# Altium PCB BalloonBoard.PcbDoc (part 2 of 3) (continued)
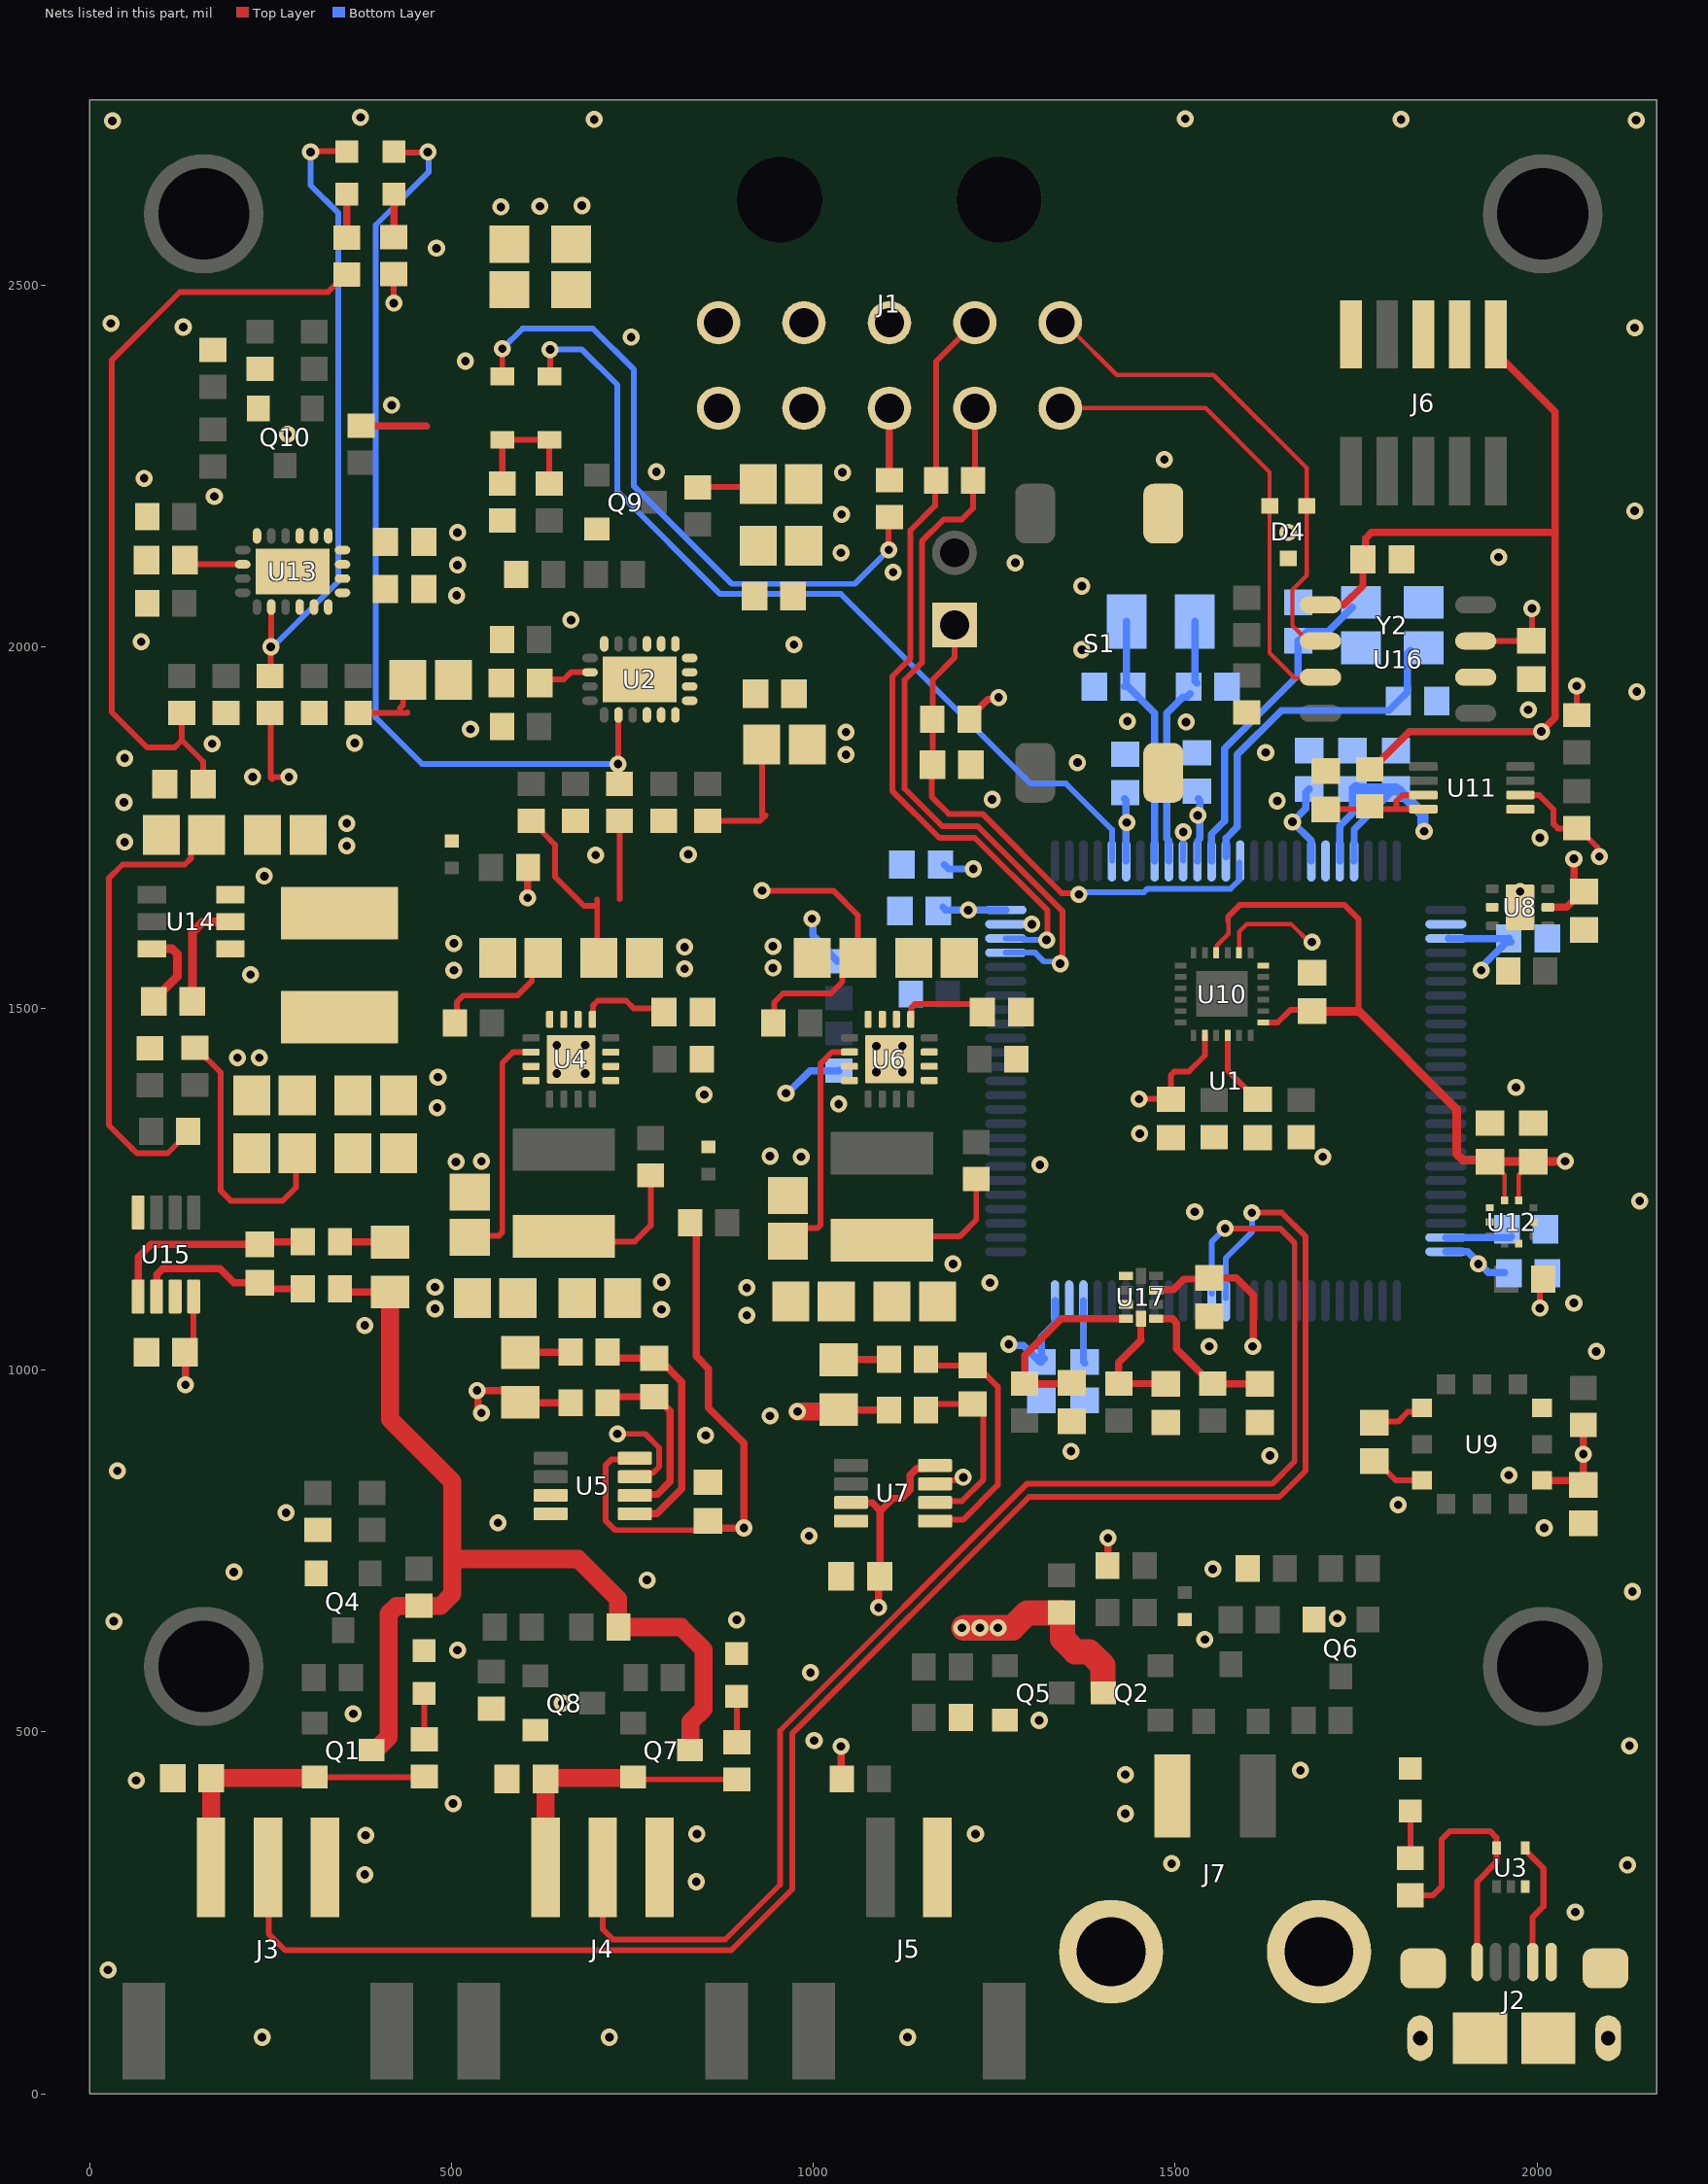
[diagram p4: the nets of this part, all layers, seen from the top]
## Part data (continued)
R75: library part RMCF0603FT69K8, "RES 69.8K OHM 1% 1/10W 0603", Device Package="0603 (1608 Metric)", Manufacturer="Stackpole Electronics Inc", Operating Temperature="-55°C ~ 155°C", Power (Watts)="0.1W, 1/10W", Ratings=AEC-Q200, Supplier Device Package=0603, Supplier Part Number 1=RMCF0603FT69K8CT-ND, Temperature Coefficient=±100ppm/°C, Tolerance=±1%, ComponentLink1Description=Datasheet, ComponentLink1URL=https://www.seielect.com/catalog/sei-rmcf_rmcp.pdf, ComponentLink2Description="DigiKey Link", ComponentLink2URL=http://digikey.com/product-detail/en/stackpole-electronics-inc/RMCF0603FT69K8/RMCF0603FT69K8CT-ND/2418123, Composition="Thick Film", Features="Automotive AEC-Q200", Height - Seated (Max)="0.022\" (0.55mm)", LastUpdated="9/2/2020 1:10:00 AM", Lifecycle Status=Active, Minimum Order=1, Number of Terminations=2, Package / Case="0603 (1608 Metric)", Packaging=CutTape, PartId=16385, Part Number=RMCF0603FT69K8, Part Status=Active, Price=0.10, Resistance="69.8 kOhms", Series=RMCF, Size / Dimension="0.061\" L x 0.031\" W (1.55mm x 0.80mm)", Supplier 1=DigiKey
R79: library part RMCF0603FG100R, "RES 100 OHM 1% 1/10W 0603", Device Package="0603 (1608 Metric)", Manufacturer="Stackpole Electronics Inc", Operating Temperature="-55°C ~ 155°C", Power (Watts)="0.1W, 1/10W", Ratings=AEC-Q200, Supplier Device Package=0603, Supplier Part Number 1=RMCF0603FG100RCT-ND, Temperature Coefficient=±100ppm/°C, Tolerance=±1%, ComponentLink1Description=Datasheet, ComponentLink1URL=https://www.seielect.com/catalog/sei-rmcf_rmcp.pdf, ComponentLink2Description="DigiKey Link", ComponentLink2URL=http://digikey.com/product-detail/en/stackpole-electronics-inc/RMCF0603FG100R/RMCF0603FG100RCT-ND/4425033, Composition="Thick Film", Features="Automotive AEC-Q200", Height - Seated (Max)="0.022\" (0.55mm)", LastUpdated="9/2/2020 1:09:39 AM", Lifecycle Status=Active, Minimum Order=1, Number of Terminations=2, Package / Case="0603 (1608 Metric)", Packaging=CutTape, PartId=24036, Part Number=RMCF0603FG100R, Part Status=Active, Price=0.10, Resistance="100 Ohms", Series=RMCF, Size / Dimension="0.061\" L x 0.031\" W (1.55mm x 0.80mm)", Supplier 1=DigiKey
R81 R82 R85: library part RNCP0603FTD1K00, "RES 1K OHM 1% 1/8W 0603", Device Package="0603 (1608 Metric)", Manufacturer="Stackpole Electronics Inc", Operating Temperature="-55°C ~ 155°C", Power (Watts)="0.125W, 1/8W", Supplier Device Package=0603, Supplier Part Number 1=RNCP0603FTD1K00CT-ND, Temperature Coefficient=±100ppm/°C, Tolerance=±1%, ComponentLink1Description=Datasheet, ComponentLink1URL=https://www.seielect.com/catalog/sei-rncp.pdf, ComponentLink2Description="DigiKey Link", ComponentLink2URL=http://digikey.com/product-detail/en/stackpole-electronics-inc/RNCP0603FTD1K00/RNCP0603FTD1K00CT-ND/2240445, Composition="Thin Film", Features="Anti-Sulfur, Moisture Resistant", Height - Seated (Max)="0.020\" (0.50mm)", LastUpdated="9/2/2020 1:10:23 AM", Lifecycle Status=Active, Minimum Order=1, Number of Terminations=2, Package / Case="0603 (1608 Metric)", Packaging=TapeAndReel, PartId=5694, Part Number=RNCP0603FTD1K00, Part Status=Active, Price=0.01, Resistance="1 kOhms", Series=RNCP, Size / Dimension="0.059\" L x 0.031\" W (1.50mm x 0.80mm)", Supplier 1=DigiKey
R83 R84: library part RMCF0603ZT0R00, "RES 0 OHM JUMPER 1/10W 0603", Device Package="0603 (1608 Metric)", Manufacturer="Stackpole Electronics Inc", Operating Temperature="-55°C ~ 155°C", Power (Watts)="0.1W, 1/10W", Ratings=AEC-Q200, Supplier Device Package=0603, Supplier Part Number 1=RMCF0603ZT0R00CT-ND, Tolerance=Jumper, ComponentLink1Description=Datasheet, ComponentLink1URL=https://www.seielect.com/catalog/sei-rmcf_rmcp.pdf, ComponentLink2Description="DigiKey Link", ComponentLink2URL=http://digikey.com/product-detail/en/stackpole-electronics-inc/RMCF0603ZT0R00/RMCF0603ZT0R00CT-ND/1943218, Composition="Thick Film", Features="Automotive AEC-Q200", Height - Seated (Max)="0.022\" (0.55mm)", LastUpdated="9/2/2020 1:09:45 AM", Lifecycle Status=Active, Minimum Order=1, Number of Terminations=2, Package / Case="0603 (1608 Metric)", Packaging=CutTape, PartId=22613, Part Number=RMCF0603ZT0R00, Part Status=Active, Price=0.10, Resistance="0 Ohms", Series=RMCF, Size / Dimension="0.061\" L x 0.031\" W (1.55mm x 0.80mm)", Supplier 1=DigiKey
R86 R87 R88: library part RMCF0603FT680R, "RES 680 OHM 1% 1/10W 0603", Device Package="0603 (1608 Metric)", Manufacturer="Stackpole Electronics Inc", Operating Temperature="-55°C ~ 155°C", Power (Watts)="0.1W, 1/10W", Ratings=AEC-Q200, Supplier Device Package=0603, Supplier Part Number 1=RMCF0603FT680RCT-ND, Temperature Coefficient=±100ppm/°C, Tolerance=±1%, ComponentLink1Description=Datasheet, ComponentLink1URL=https://www.seielect.com/catalog/sei-packaging.pdf, ComponentLink2Description="DigiKey Link", ComponentLink2URL=http://digikey.com/product-detail/en/stackpole-electronics-inc/RMCF0603FT680R/RMCF0603FT680RCT-ND/6053170, Composition="Thick Film", Features="Automotive AEC-Q200", Height - Seated (Max)="0.022\" (0.55mm)", LastUpdated="9/2/2020 1:10:13 AM", Lifecycle Status=Active, Minimum Order=1, Number of Terminations=2, Package / Case="0603 (1608 Metric)", Packaging=CutTape, PartId=10671, Part Number=RMCF0603FT680R, Part Status=Active, Price=0.10, Resistance="680 Ohms", Series=RMCF, Size / Dimension="0.061\" L x 0.031\" W (1.55mm x 0.80mm)", Supplier 1=DigiKey
S1: "SWITCH TACTILE SPST-NO 0.05A 24V", Contact Rating @ Voltage="0.05A @ 24VDC", Manufacturer="TE Connectivity ALCOSWITCH Switches", Operating Force=260gf, Operating Temperature="-40°C ~ 105°C", Supplier Part Number 1=450-2138-1-ND, Actuator Height off PCB, Vertical=7.00mm, Actuator Orientation="Top Actuated", Actuator Type=Standard, Circuit=SPST-NO, ComponentLink1Description=Datasheet, ComponentLink1URL=https://www.te.com/commerce/DocumentDelivery/DDEController?Action=srchrtrv&DocNm=1308111-1_SWITCHES_CORE_PROGRAM_CATALOG&DocType=CS&DocLang=English, ComponentLink2Description="DigiKey Link", ComponentLink2URL=http://digikey.com/product-detail/en/te-connectivity-alcoswitch-switches/FSM6JSMAASTR/450-2138-1-ND/5343818, Illumination=Non-Illuminated, LastUpdated="9/2/2020 1:27:08 AM", Lifecycle Status=Active, Minimum Order=1, Mounting Type="Surface Mount", Outline="6.00mm x 6.00mm", Packaging=TapeAndReel, Part Number=FSM6JSMAASTR, Part Status=Active, Price=0.37, Series=FSMJSMA, Supplier 1=DigiKey, Switch Function=Off-Mom, Termination Style="Gull Wing"
U1: Supplier Part Number 1=497-19657-1-ND, Supplier 1=Digi-Key
U2 U13: Supplier Part Number 1=296-40735-1-ND, Supplier 1=Digi-Key
U3: library part CMP-0326-00052-4, "TVS DIODE 5.5V SOT5", Breakdown Voltage=11V, Capacitance=1.5pF, Case/Package=SOT-553, Clamping Voltage=105.5V, Leakage Current=1nA, Max Operating Temperature=85°C, Max Supply Current=100nA, Max Supply Voltage=5.5V, Min Operating Temperature=-40°C, Min Supply Voltage=900mV, Package Quantity=1, Peak Pulse Power=90W, Power Line Protection=Yes, Depth=1.2mm, Direction=Unidirectional, Height=0.55mm, Interface=USB, Lead Free="Lead Free", Length=1.6mm, Max Supply Voltage (DC)=5.5V, Min Breakdown Voltage=11V, Min Supply Voltage (DC)=900mV, Nominal Supply Current=1nA, Number of Bidirectional Channels=3, Number of Channels=3, Number of Pins=5, Packaging="Tape and Reel", Radiation Hardening=No, REACH SVHC="No SVHC", Reverse Standoff Voltage=5.5V, RoHS Compliant=Yes, Termination=SMD/SMT, Weight=9.9E-05oz, Width=1.2mm
U4: library part CMP-0323-00129-3, "Buck Step Down Regulator with 3 to 17 V Input and 3.3 V Output, -40 to 85 degC, 16-Pin QFN (RGT), Green (RoHS & no Sb/Br)", Manufacturer="Texas Instruments", Rating=Catalog, Switch Current Limit(Typ)(A)=1.7, Code_JEDEC=MO-220, ComponentLink1Description=Datasheet, ComponentLink1URL=http://www.ti.com/general/docs/lit/getliterature.tsp?genericPartNumber=TPS62152&fileType=pdf, ComponentLink2Description="Package Specification", ComponentLink2URL=http://www.ti.com/litv/pdf/mpqf119g, ComponentLink3Description="URL Link1", ComponentLink3URL="Samples URL:http://www.ti.com/product/tps54611#samples", DatasheetVersion=SLVSAL5, Duty Cycle(Max)(%)=100, Eco-Plan="Green (RoHS & no Sb/Br)", Iout(Max)(A)=1, Iq(Typ)(mA)=0.017, Mounting Technology="Surface Mount", PackageDescription="16-Pin Plastic Quad Flat No-Lead, 3 x 3 mm Body, 0.5 mm Pitch, 1.7 x 1.7 mm Exposed Pad", PackageReference=RGT0016C, PackageVersion="revH, Oct-2011", PartNumber=TPS62152RGTT, Preset Vout(V)=3.3, Regulated Outputs(#)=1, SubFamily="Step-Down Regulator", Synchronous Rectification=TRUE, Topology=Buck, Vin(Max)(V)=17, Vin(Min)(V)=3, Vout(Max)(V)=3.3, Vout(Min)(V)=3.3
U5 U7 U15: library part CMP-0704-00041-2, "Zero-Drift, Bi-directional Current / Power Monitor, 3 to 5.5 V, -40 to 125 degC, 8-pin SOP (DCN8), Green (RoHS & no Sb/Br)", Manufacturer="Texas Instruments", Quiescent Current (+/-)(Typ)(mA)=0.7, Rating=Catalog, CMRR(Min)(dB)=100, Code_JEDEC=MO-178, Common Mode Range(Max)(V)=26, Common Mode Range(Min)(V)=0, ComponentLink1Description="Manufacturer URL", ComponentLink1URL=http://www.ti.com/, ComponentLink2Description=Datasheet, ComponentLink2URL=http://www.ti.com/general/docs/lit/getliterature.tsp?genericPartNumber=INA219&fileType=pdf, ComponentLink3Description="Package Specification", ComponentLink3URL=http://www.ti.com/lit/ml/mpds099c/mpds099c.pdf, DatasheetVersion=SBOS448F, Eco-Plan="Green (RoHS & no Sb/Br)", Gain(V/V)="1, 0.5, 0.25, 0.125", Input Offset (+/-)(Max)(uV)=100, Mounting Technology="Surface Mount", PackageDescription="8-Pin Plastic Small Outline, Body 1.6 x 2.9 mm, Pitch 0.65 mm", PackageReference=DCN0008A, PackageVersion="4202106/D, 11/2009", PartNumber=INA219AIDCNR, Small-Signal Bandwidth(Typ)(MHz)=0.011, SubFamily="Current Shunt Monitor", Vs(Max)(V)=5.5, Vs(Min)(V)=3
U6: library part CMP-0323-00124-3, "Buck Step Down Regulator with 3 to 17 V Input and 1.8 V Output, -40 to 85 degC, 16-Pin QFN (RGT), Green (RoHS & no Sb/Br)", Manufacturer="Texas Instruments", Rating=Catalog, Switch Current Limit(Typ)(A)=1.7, Code_JEDEC=MO-220, ComponentLink1Description=Datasheet, ComponentLink1URL=http://www.ti.com/general/docs/lit/getliterature.tsp?genericPartNumber=TPS62151&fileType=pdf, ComponentLink2Description="Package Specification", ComponentLink2URL=http://www.ti.com/litv/pdf/mpqf119g, ComponentLink3Description="URL Link1", ComponentLink3URL="Samples URL:http://www.ti.com/product/tps54611#samples", DatasheetVersion=SLVSAL5, Duty Cycle(Max)(%)=90, Eco-Plan="Green (RoHS & no Sb/Br)", Iout(Max)(A)=1, Iq(Typ)(mA)=0.017, Mounting Technology="Surface Mount", PackageDescription="16-Pin Plastic Quad Flat No-Lead, 3 x 3 mm Body, 0.5 mm Pitch, 1.7 x 1.7 mm Exposed Pad", PackageReference=RGT0016C, PackageVersion="revH, Oct-2011", PartNumber=TPS62151RGTT, Preset Vout(V)=1.8, Regulated Outputs(#)=1, SubFamily="Step-Down Regulator", Synchronous Rectification=TRUE, Topology=Buck, Vin(Max)(V)=17, Vin(Min)(V)=3, Vout(Max)(V)=1.8, Vout(Min)(V)=1.8
U8: library part CMP-04948-000009-1, "TEMPERATURE SENSOR", Ambient Temperature Range High=+150°C, Ambient Temperature Range Low=-55°C, Manufacturer="Texas Instruments", Max Supply Voltage=5.5V, Min Supply Voltage=1.8V, Operating Supply Current=3.5-16uA, Package=DRV0006A, Temperature="-55°C to +150°C", Automotive=No, Category=IC, ComponentLink2Description=Datasheet, ComponentLink2URL=http://www.ti.com/lit/ds/symlink/tmp117.pdf, Device Class L1=Sensors, Device Class L2="Temperature and Humidity Sensors", Device Class L3=unset, Digikey Description="TEMPERATURE SENSOR", Height=0.8mm, Interface=I2C,2-Wire,SMBus, Ipc Land Pattern Name=DFN200X200X80-6, Lead Free=Yes, Manufacturer Part Number=TMP117AIDRVR, Max Junction Temp=+150°C, Octopart=https://octopart.com/tmp117aidrvr-texas+instruments-95511044, Resolution=16bits, RoHS=TRUE, Standoff Height=0mm, Temperature Range High=+150°C, Temperature Range Low=-55°C
U9: Supplier Part Number 1=480-7099-1-ND, Supplier 1=Digi-Key
U10: Supplier Part Number 1=1428-1123-1-ND, Supplier 1=Digi-Key
U11: library part CMP-0314-00424-2, "Automotive Catalog Dual Bidirectional I2C Bus and SMBus Voltage-Level Translator, 0 to 5.5 V,-40 to 85 degC,8-pin US8 (DCU), Green (RoHS & no Sb/Br)", 5V Tolerant I/O=Yes, Manufacturer="Texas Instruments", Max Frequency(kHz)=400, On-Chip Power-on-Reset=No, Rating=Automotive, Code_JEDEC=MO-187-CA, ComponentLink1Description=Datasheet, ComponentLink1URL=http://www.ti.com/general/docs/lit/getliterature.tsp?genericPartNumber=PCA9306-Q1&fileType=pdf, ComponentLink2Description="Package Specification", ComponentLink2URL=http://www.ti.com/litv/pdf/mpds050d, DatasheetVersion=SCPS178, Eco-Plan="Green (RoHS & no Sb/Br)", Enable Pin=Yes, fSCLK(Max)(MHz)=400, Function="Voltage Translator", Mounting Technology="Surface Mount", No. of Outputs=2, Open Drain I/O Type=Yes, PackageDescription="8-Pin Thin Shrink Small Outline Package 0.5 mm Pitch", PackageReference=DCU0008A, PackageVersion="revF, Jul-2005", PartNumber=PCA9306IDCURQ1, SubFamily="I2C Special Function", tpd max(ns)=1.4, Vcc range(V)="0 to 5.5"
U12: Supplier Part Number 1=828-1079-1-ND, Supplier 1=Digi-Key
U14: Supplier Part Number 1=296-49006-1-ND, Supplier 1=Digi-Key
U16: Supplier Part Number 1=296-44228-1-ND, Supplier 1=Digi-Key
U17: Supplier Part Number 1=296-48346-1-ND, Supplier 1=Digi-Key
Y1: library part ABS07-166-32.768KHZ-T, "IOT 32.786KHZ XTAL", ESR (Equivalent Series Resistance)="70 kOhms", Frequency Tolerance=±10ppm, Load Capacitance=7pF, Manufacturer="Abracon LLC", Operating Mode=Fundamental, Operating Temperature="-40°C ~ 85°C", Package / Case="2-SMD, No Lead", Supplier Part Number 1=535-14514-1-ND, ComponentLink1Description=Datasheet, ComponentLink1URL=https://abracon.com/datasheets/ABS07-166-32.768kHz-T.pdf, ComponentLink2Description="DigiKey Link", ComponentLink2URL=http://digikey.com/product-detail/en/abracon-llc/ABS07-166-32.768KHZ-T/535-14514-1-ND/8827205, Frequency=32.768kHz, Height - Seated (Max)="0.035\" (0.90mm)", LastUpdated="9/2/2020 1:21:47 AM", Lifecycle Status=Active, Minimum Order=1, Mounting Type="Surface Mount", Packaging=TapeAndReel, PartId=384, Part Number=ABS07-166-32.768KHZ-T, Part Status=Active, Price=0.35, Series=ABS07, Size / Dimension="0.126\" L x 0.059\" W (3.20mm x 1.50mm)", Supplier 1=DigiKey, Type="kHz Crystal (Tuning Fork)"
Y2: library part "TSX-3225 25.0000MF20P-C0", "CRYSTAL 25.0000MHZ 18PF SMD", ESR (Equivalent Series Resistance)="40 Ohms", Frequency Stability=±20ppm, Frequency Tolerance=±10ppm, Load Capacitance=18pF, Manufacturer=EPSON, Operating Mode=Fundamental, Operating Temperature="-20°C ~ 85°C", Package / Case="4-SMD, No Lead", Supplier Part Number 1=SER4212CT-ND, ComponentLink1Description=Datasheet, ComponentLink1URL=https://support.epson.biz/td/api/doc_check.php?dl=brief_TSX-3225&lang=en, ComponentLink2Description="DigiKey Link", ComponentLink2URL=http://digikey.com/product-detail/en/epson/TSX-3225-25.0000MF20P-C0/SER4212CT-ND/7430967, Frequency=25MHz, Height - Seated (Max)="0.024\" (0.60mm)", LastUpdated="9/2/2020 1:21:54 AM", Lifecycle Status=Active, Minimum Order=1, Mounting Type="Surface Mount", Packaging=TapeAndReel, PartId=447, Part Number="TSX-3225 25.0000MF20P-C0", Part Status=Active, Price=0.18, Series=TSX-3225, Size / Dimension="0.126\" L x 0.098\" W (3.20mm x 2.50mm)", Supplier 1=DigiKey, Type="MHz Crystal"

## Free pads (board coordinates)
  round 165.35 hole 125.98: 11(157.48,590.55) 11(157.48,2598.43) 11(2007.87,590.55) 11(2007.87,2598.43)

## Via types
v1: diameter 23.62, hole 11.81, Top Layer to Bottom Layer, 259 vias

## Nets (pads, with @x,y where several pads share a name; then routed paths per layer and width w, separated by ;. In a path a pad name is that pad's centre, name@x,y a point inside that pad or via, vN(x,y) a via of type N, cw(c..) or ccw(c..) an arc to the next point about the centre after c; other vN are vias at no path point)
6V: Q1.3 Q7.3 R1.2 R14.2 R73.2 R77.2 | length 1388.5
  Top Layer w10: R77.2@345.59,1112.56 350.04,1108.11 R73.2@415,1108.11
  Top Layer w25: Q1.3@398,478 413,493 413,663.36 423.64,674 447,674 R1.2@451,678 ; R73.2@415,1108.11 415,932 501,846 501,739 ; R1.2@455,674.41 451.41,678 R1.2@451,678 ; R14.2@730,644 730,684 675,739 501,739 ; R14.2@730.59,645 817,645 848,614 848,532 830,514 Q7.3@830,479 ; R1.2@451,678 455,674 484.36,674 501,690.64 501,739
+1.8: C47.2 C48.2 C51.2 C52.2 R41.2 R44.2 R50.2 R51.2 R54.1 U10.8 U10.13 U10.22 U11.2 U12.1 U12.10 | length 1564.8
  Top Layer w6: U10.22@1556.76,1577.17 1557.69,1578.11 1557.69,1587.26 1573.81,1603.38 1573.81,1620.19 1573,1621 ; C51.2@1945,1285 1945,1280.39 1955.16,1270.24 U12.10@1955.16,1235.04 ; U12.1@1974.84,1235.04 1974.84,1270.24 1993.03,1288.43 C52.2@1995,1288.43
  Top Layer w8: v1(1450,1375) 1493.57,1375 C48.2@1494,1374.57 1494,1408 1499,1413 1519,1413 1541.01,1435.01 U10.8@1541.01,1463 ; 1573,1621 1573,1627 1589,1643 1734,1643 1753.57,1623.43 1753.57,1496.43 ; U10.13@1621.72,1480.72 1641.72,1480.72 1659,1498 C47.2@1689,1498 ; U11.2@1976.93,1795.16 1977.09,1795 2003,1795 2023,1775 2023,1755 2029,1749 R50.2@2049,1749 ; v1(2004,1085.81) 2004,1122.59 R54.1@2007,1125.59 ; R50.2@2055,1749.41 2056.97,1749.41 2083.2,1723.18 2083.2,1712.99 v1(2086.19,1710) ; R51.2@2055,1905.59 v1(2055,1946)
  Top Layer w10: R41.2@1035,945.55 1035.55,945 R44.2@1104.41,945
  Top Layer w12: C47.2@1689,1496.43 1753.57,1496.43 1889,1361 1889,1299 1897.31,1290.69 1933.31,1290.69 C51.2@1934,1290 ; C51.2@1941.57,1288.43 C52.2@1995,1288.43 1995.29,1288.71 2038.71,1288.71 v1(2039,1289)
  Top Layer w25: v1(978,943) 1032.45,943 R41.2@1035,945.55
+3.3: C7.2 C8.2 C9.2 C14.2 C15.2 C16.2 C17.2 C18.2 C19.2 C20.2 C35.2 C43.2 C44.1 C45.2 C66.2 C67.2 C70.2 J6.1 R18.2 R20.2 R21.2 R22.1 R23.2 R26.2 R47.2 R49.2 R55.2 R56.2 R57.2 U1.6 U1.11 U1.19 U1.21 U1.22 U1.28 U1.50 U1.75 U1.100 U5.4 U7.4 U7.7 U8.5 U9.12 U15.4 U16.5 U17.8 | length 4555.3
  Top Layer w8: C66.2@138,1021 143.39,1026.39 U15.4@143.39,1101.93 ; U5.4@746,877 721,877 713,869 713,792 726,779 841,779 C35.2@854,792
  Top Layer w10: C66.2@131.57,1025 132,1024.57 v1(132,980) ; v1(541,941) 541,943.16 536.16,948 536.16,970.84 v1(535,972) 578.55,972 R23.2@595,955.55 595.55,955 R26.2@664.41,955 ; v1(605,1653) 605,1694.41 R55.2@605.59,1695 ; R56.2@829,1195 833.3,1195 838,1190.3 838,1019.25 855,1002.25 855,948 904,899 v1(904,782) 868.69,782 861,789.69 C35.2@861,791.69 ; v1(1038,480) 1038,436.41 R18.2@1039.41,435 ; U7.7@1051.93,817.2 1052.13,817 1081,817 1092,806 ; v1(1090,672) 1090,711 1092,713 1092,806 ; U7.4@1156,868 1152.53,864.53 1142.91,864.53 1133.45,855.07 1133.45,834.45 1122,823 1110,823 1093,806 1092,806 ; R22.1@1216,1901 1216,1902.38 1241.02,1927.39 1253.39,1927.39 v1(1256,1930) ; R57.2@1406.41,730 1407,730.59 v1(1407,768) ; U17.8@1473.34,1110.68 1474.24,1111.59 1497.59,1111.59 1512,1126 C70.2@1552,1126 ; C70.2@1547,1127.57 1584.43,1127.57 1608,1104 1608,1034 v1(1607,1033) ; U16.5@1702,2060 1704,2058 1733,2058 1759.43,2084.43 C67.2@1759.43,2121 1762.83,2124.4 1762.83,2149.83 1771,2158 2025,2158 ; R49.2@1771,1832.59 R49.2@1769,1830.59 1770.97,1830.59 1823.38,1883 v1@2005,1883 ; J6.1@1943,2439 1943,2406.72 2025,2324.72 2025,2158 ; U9.12@2006.68,847.68 C44.1@2061.32,847.68 ; v1@2007,1884 2025,1902 2025,2158 ; U8.5@2015,1641 2016,1640 2041.46,1640 2063.03,1661.57 2060,1662.57 2051,1671.57 v1(2051,1707) ; C44.1@2064,850 v1(2064,884) R47.2@2064,914.41
  Bottom Layer w10: v1(962,1383) 964,1383 995,1414 1034.59,1414 R20.2@1035,1414.41 ; v1(998,1624) 999.53,1622.47 999.53,1601.06 1021.3,1579.29 1021.3,1577.32 1033.03,1565.59 R21.2@1035,1565.59 ; C16.2@1179,1640 C16.2@1182.78,1636.22 ; C17.2@1180.57,1699 1186.57,1693 v1(1221,1693) ; C16.2@1188.78,1636.22 1189,1636 v1(1214,1636) 1214.11,1636.11 1265.76,1636.11 U1.100@1265.87,1636.22 ; v1(1270,1036) 1271.53,1034.47 1290.14,1034.47 1313.03,1011.57 C15.2@1315,1011.57 ; C15.2@1319.41,1015.98 1315,1020.39 1315,1046 1333.78,1064.78 U1.75@1333.78,1095.87 ; C18.2@1430,1790 1432.2,1787.8 v1@1432.2,1759.2 ; U1.6@1432.2,1704.13 v1@1432.2,1759.2 ; v1(1433,1757) 1433,1758.41 v1@1432.2,1759.2 ; U1.11@1530.63,1704.13 1530.98,1704.48 1530.98,1731.57 1534,1734.59 1534,1760.5 1531.19,1763.31 v1(1531.19,1767) ; C7.2@1531.71,1790 1534,1787.71 v1@1534,1767 ; C8.2@1685,1803.43 1680.57,1798.99 1680.57,1776.57 v1(1662,1758) 1687.76,1732.24 1687.76,1704.48 U1.19@1688.11,1704.13 ; U1.21@1727.48,1704.13 1727.48,1752.48 1745,1770 C20.2@1745,1803.43 C20.2@1745,1805 ; U1.22@1747.17,1704.13 1747.28,1704.25 1747.28,1747.68 C19.2@1799.61,1800 ; C19.2@1805,1803.43 1807.43,1801 C19.2@1808,1801 ; U1.50@1874.13,1163.78 1904.22,1163.78 1919,1149 v1(1919,1147) 1921,1147 1933,1135 C14.2@1955,1135 ; U1.28@1878,1597 1878.15,1596.85 1960.85,1596.85 C9.2@1961,1597 ; v1(1923,1553) 1924.53,1554.53 1924.53,1558.56 1957.97,1592 C9.2@1964,1592
  Bottom Layer w15: C20.2@1750,1806 1752.57,1803.43 C19.2@1805,1803.43 ; C19.2@1808,1801 1809.39,1801 1842.35,1768.04 1842.35,1746.65 v1(1844,1745)
  other v1: 2006,1883
+5: C25.2 C26.2 C30.2 C31.2 C36.2 C37.2 C68.2 R24.2 R28.2 R29.2 R31.2 R42.2 R85.1 U2.4 U2.5 U2.6 U2.7 U2.8 U4.10 U4.11 U4.12 U6.10 U6.11 U6.12 U16.3 | length 1266.6
  Top Layer w8: v1(420,2475) R85.1@420,2515 ; R24.2@504.41,1480 507,1482.59 507,1509 516,1518 591,1518 611,1538 611,1552 C30.2@630,1571 ; R28.2@610,1759.41 611.97,1759.41 624.7,1746.68 624.7,1744.71 643,1726.41 643,1682 683,1642 697,1642 ; 701,1651 701,1585 C31.2@708,1578 ; 732,1651 R29.2@732,1759.41 ; R31.2@854,1759.41 926.41,1759.41 934,1767 ; C26.2@927,1863 929,1861 929,1767 ; v1(929,1663) 1027.3,1663 1061.5,1628.81 C37.2@1061.5,1570 1040.19,1548.69 1040.19,1537.19 1024,1521 958,1521 946,1509 R42.2@946,1476 ; U16.3@1915.28,2008 C68.2@1997,2008 ; C68.2@1992,2008.57 1993,2009.57 v1(1993,2053)
+5_Supply: C3.2 C4.2 C24.2 J1.6 R27.2 U2.9 U2.10 U2.11 U2.12 U2.13 | length 84.2
  Top Layer w8: R27.2@840,2220.59 840.41,2221 C4.2@924,2221
+12: C54.2 C55.2 C62.2 C63.2 C64.1 Q2.3 R2.2 R62.2 R63.2 R64.2 R74.1 R89.2 U13.4 U13.5 U13.6 U13.7 U13.8 U14.3 | length 2258.5
  Top Layer w8: R62.2@127,1908.41 127,1871 ; R74.1@135.59,1330 135.59,1328.03 107.56,1300 65,1300 63.7,1301.3 63.54,1301.3 57.68,1307.16 57.68,1307.32 26,1339 26,1680 45,1699 131,1699 139.91,1707.91 139.91,1716.91 C63.2@163,1740 ; C64.1@156.57,1810 156.57,1841.43 127,1871 ; C64.1@162,1807.69 C64.1@162,1810 ; R63.2@249,1908.41 250,1907.41 250,1819 252,1817 ; 251,1819 252,1820 v1(275,1820) v1@276,1819 ; R89.2@355,2514.41 353.03,2514.41 328.99,2490.36 124.36,2490.36 30,2396 30,1910 79,1861 117,1861 127,1871 ; R64.2@368.44,1909 R64.2@372,1909 ; R64.2@371,1908.41 438.41,1908.41 439,1909 ; 428.31,1915 433,1919.69 433,1947.5 C55.2@439.5,1954
  Top Layer w35: v1@1208,644 1275,644 1295.64,664.64 1342.23,664.64 R2.2@1343,665.41 ; R2.2@1344,664.41 1344,629 1362,611 1381,611 1400,592 Q2.3@1400,560
  other v1: 1205,644 1230,644 1255,644 225,1820
+12_Supply: C1.2 C2.2 C53.2 J1.1 R61.2 U13.9 U13.10 U13.11 U13.12 U13.13 | length 90.2
  Top Layer w10: R61.2@375,2305.59 464.41,2305.59 465,2305
GND: C1.1 C2.1 C3.1 C4.1 C5.1 C6.1 C7.1 C8.1 C9.1 C10.1 C11.1 C12.1 C13.1 C14.1 C15.1 C16.1 C17.1 C18.1 C19.1 C20.1 C21.1 C22.1 C23.1 C24.1 C25.1 C26.1 C27.1 C28.1 C29.1 C30.1 C31.1 C33.1 C34.1 C35.1 C36.1 C37.1 C38.1 C39.1 C40.1 C42.1 C43.1 C44.2 C45.1 C47.1 C48.1 C49.1 C50.1 C51.1 C52.1 C53.1 C54.1 C55.1 C56.1 C58.1 C59.1 C60.1 C61.1 C62.1 C63.1 C64.2 C66.1 C67.1 C68.1 C70.1 C71.1 C72.1 C73.1 D2.2 D4.3 D5.2 D6.2 J1.2 J1.3 J1.7 J2.5 J2.S J3.1 J4.1 J5.1 J6.2 J6.3 J6.5 J7.2 J7.3 J7.4 Q4.2 Q5.2 Q6.2 Q8.2 Q9.2 Q10.2 R11.1 R12.1 R13.1 R17.1 R19.2 R33.1 R34.1 R35.1 R36.1 R37.1 R38.1 R40.1 R46.1 R48.1 R52.2 R53.2 R58.1 R59.1 R60.1 R66.1 R67.1 R68.1 R69.1 R70.1 R72.1 R78.1 R80.1 S1.1 S1.2 U1.10 U1.20 U1.27 U1.74 U1.99 U2.16 U2.21 U3.3 U4.5 U4.6 U4.7 U4.15 U4.16 U4.17@664.88,1429.84 U5.3 U5.7 U5.8 U6.5 U6.6 U6.7 U6.15 U6.16 U6.17@1105,1430 U7.3 U7.8 U8.2 U8.7 U9.10 U10.18 U10.20 U11.1 U12.3 U12.5 U12.8 U12.9 U13.16 U13.21 U14.1 U15.3 U15.8 U16.2 U17.1 U17.3 Y2.2 Y2.4 | length 359.7
  Top Layer w6: U10.20@1588.25,1577.17 1588.25,1606.25 1599,1617 1660,1617 1685,1592 v1(1689,1592)
  Top Layer w8: v1(729,912) 767.51,912 786.69,892.82 786.69,866.53 777.82,857.65 757.93,857.65 U5.3@753.07,852.8 ; U7.3@1168.07,842.8 1172.93,847.65 1198.53,847.65 1202.84,851.96 v1(1207.06,851.96) ; C47.1@1687,1545 C47.1@1688,1545
  Bottom Layer w8: U1.10@1510.94,1704.13 1511.07,1704.26 1511.07,1743.92 v1(1511.19,1744.04)
  other v1: 238,78 718,78 1130,78 25,171 2053,251 838,293 380,303 2125,316 1495,318 381,357 839,359 1224,359 1431,387 502,401 64,433 1431,441 1673,447 2128,481 1001,488 1312,516 364,525 653,540 996,582 508,613 1541,628 33,653 894,655 1724,657 2132,694 770,710 199,721 1552,725 994,771 2010,782 564,789 271,803 1808,814 1961,855 38,861 1631,882 1356,888 851,910 940,937 2082,1026 1547,1033 380,1062 908,1076 790,1084 477,1085 2051,1093 908,1114 477,1115 1244,1121 790,1122 1193,1147 1527,1219 2142,1234 1313,1284 506,1288 541,1289 983,1295 1704,1295 940,1296 1451,1327 480,1363 1035,1368 849,1381 1971,1391 481,1405 645.2,1410.16 684.57,1410.16 1087,1412 1123,1412 204,1432 234,1432 1087,1448 1123,1448 645.2,1449.53 684.57,1449.53 222,1547 503,1553 822,1555 944,1556 822,1585 944,1586 503,1590 1301.73,1616.54 1976.61,1661.65 241,1683 699,1712 827,1713 355,1725 48,1730 2004,1736 355,1756 47,1785 1641,1787 1247,1789 1365,1840 48,1846 1045,1851 1625,1854 169,1866 366,1867 1045,1882 526,1886 1515,1896 1434,1897 1988,1913 2138,1938 1371,1996 973,2003 71,2007 665,2037 507,2071 1371,2084 1110,2103 508,2113 1279,2116 1947,2124 1038,2130 508,2158 1656,2158 1039,2183 2135,2188 172,2208 75,2233 1040,2241 783,2242 1485,2259 273,2294 417,2334 519,2395 748,2428 2135,2441 129,2442 29,2447 479,2551 568,2608 622,2609 680,2610 31,2727 2137,2728 697,2729 1812,2729 1514,2730 374,2732
NetC5_2: C5.2 J3.3 Q1.2 R81.2 | length 380.5
  Top Layer w8: Q1.2@310.63,437.6 459.6,437.6 R81.2@463,441
  Top Layer w25: J3.3@167,336 167.45,336.45 167.45,435.87 C5.2@167.57,436 ; C5.2@184.7,436.3 309.33,436.3 Q1.2@310.63,437.6
NetC6_2: C6.2 J4.3 Q7.2 R82.2 | length 390
  Top Layer w8: Q7.2@753,440 758.59,434.41 R82.2@894,434.41
  Top Layer w25: C6.2@627,438 628.7,436.3 749.33,436.3 Q7.2@750.63,437.6 ; C6.2@628,434 629.75,432.25 629.75,313.17 J4.3@629.92,312.99
NetC10_2: C10.2 U1.73 | length 86.6
  Bottom Layer w10: U1.73@1373.15,1095.87 1373.15,1011.85 C10.2@1375,1010
NetC11_2: C11.2 U1.49 | length 91.5
  Bottom Layer w10: U1.49@1874.13,1183.46 1963.46,1183.46 C11.2@1965,1185
NetC12_2: C12.2 U1.8 Y1.1 | length 350.3
  Bottom Layer w10: C12.2@1430,1945 1432.5,1947.5 1471.57,1908.43 U1.8@1471.57,1704.13 ; C12.2@1432.76,1947.76 Y1.1@1432.76,2035
NetC13_2: C13.2 U1.9 Y1.2 | length 334.6
  Bottom Layer w10: U1.9@1491.26,1704.13 1490.91,1704.48 1490.91,1732.06 1488.38,1734.59 1488.38,1908.38 1510.31,1930.31 1515.71,1930.31 C13.2@1520.39,1935 ; Y1.2@1527.24,2035 1527.24,1952.76 C13.2@1530,1950
NetC21_2: C21.2 U1.12 Y2.1 | length 448.3
  Bottom Layer w10: U1.12@1550.31,1704.13 1550.31,1741.31 1568,1759 1568,1859 1670,1961 C21.2@1670,2008.43 1682.72,2021.14 1711.42,2021.14 1745,2054.72 Y2.1@1745,2055
NetC22_2: C22.2 U1.13 Y2.3 | length 477.6
  Bottom Layer w10: U1.13@1570,1710 1570.35,1710.35 1570.35,1735.35 1586,1751 1586,1851 1647,1912 1795.43,1912 C22.2@1808.43,1925 1820.75,1937.32 1820.75,1990.75 Y2.3@1825,1995
NetC23_2: C23.2 J8.1 R22.2 U1.14 | length 764.3
  Top Layer w8: J8.1@1195,2030 1195,1985 1165,1955 1165,1900 1165,1836 1163.43,1834.43 1163.43,1792.57 1187,1769 1233.6,1769 1343.19,1659.41 1365.4,1659.41 v1(1367,1657.81)
  Bottom Layer w8: v1(1367,1657.81) 1369.99,1660.8 1456.8,1660.8 1461.59,1665.59 1576.59,1665.59 1585.91,1674.91 1588.96,1677.96 1588.96,1701.96 U1.14@1589,1702
NetC27_2: C27.2 C28.2 C29.2 L1.2 R23.1 R25.2 R30.2 U4.14 | length 590.7
  Top Layer w8: C27.2@531,1181 536,1186 565.31,1186 570,1190.69 570,1425 584.69,1439.69 U4.14@609.76,1439.69 ; L1.2@656,1177 657,1178 753,1178 775,1200 R30.2@775,1269.41
  Top Layer w10: R23.1@595,1024.45 595.55,1025 R25.2@664.41,1025
NetC32_1: C32.1 R26.1 U5.2 | length 252.3
  Top Layer w10: R26.1@715.59,955 724.02,963.43 781.97,963.43 802,943.39 802,846 784.41,828.41 754.28,828.41 U5.2@753.07,827.2
NetC32_2: C32.2 R25.1 U5.1 | length 346.6
  Top Layer w10: R25.1@715.59,1025 724.02,1016.57 C32.2@780,1016.57 785.47,1016.57 818,984.04 818,836 783.61,801.61 U5.1@753.07,801.61
NetC33_2: C33.2 U4.9 | length 128.2
  Top Layer w8: U4.9@694.41,1484.96 695,1485.55 695,1504 702,1511 741,1511 752,1500 795,1500 C33.2@796,1501
NetC34_2: C34.2 U2.18 | length 75.7
  Top Layer w8.17: C34.2@621.57,1950 626.57,1955 655,1955 664.84,1964.84 U2.18@691.1,1964.84
NetC38_2: C38.2 C39.2 C40.2 L2.2 R41.1 R43.2 R45.2 U6.14 | length 560.5
  Top Layer w8: C38.2@965,1172 965,1172.75 988.56,1196.31 1005.31,1196.31 1010,1201 1010,1424 1025.84,1439.84 U6.14@1049.88,1439.84 ; L2.2@1127,1185 1202,1185 1225,1208 R45.2@1225,1264.41
  Top Layer w10: R41.1@1035,1014.45 1035.55,1015 R43.2@1104.41,1015
NetC41_1: C41.1 R44.1 U7.2 | length 258.6
  Top Layer w8: R44.1@1155.59,945 1164.02,953.43 C41.1@1220,953.43 1235,938.43 1235,849.06 1204.88,818.94 1169.8,818.94 U7.2@1168.07,817.2
NetC41_2: C41.2 R43.1 U7.1 | length 357.9
  Top Layer w8: R43.1@1155.59,1015 1164.02,1006.57 C41.2@1220,1006.57 1225.47,1006.57 1254.69,977.36 1254.69,841.4 1206.63,793.35 1169.8,793.35 U7.1@1168.07,791.61
NetC42_2: C42.2 U6.9 | length 115.1
  Top Layer w8: U6.9@1134.53,1485.12 1135.45,1486.04 1135.45,1501.31 1140.14,1506 C42.2@1232,1506
NetC46_1: C46.1 U9.4 | length 79.4
  Top Layer w8: C46.1@1775,875.43 1776.97,875.43 1804.39,848 U9.4@1843,848
NetC46_2: C46.2 U9.6 | length 75.6
  Top Layer w8: C46.2@1778,940 1789,929 1808,929 1821.29,942.29 1835.94,942.29 U9.6@1841.32,947.68
NetC49_2: C49.2 U10.10 | length 108.1
  Top Layer w8: U10.10@1572.5,1463 1572.5,1414.5 1612.43,1374.57 C49.2@1614,1374.57 C49.2@1614,1373
NetC50_2: C50.2 R49.1 U11.7 U11.8 | length 188.7
  Top Layer w8: C50.2@1705,1775 1705.47,1775.47 1769,1775.47 1806,1775.47 U11.8@1843.07,1775.47 ; 1806,1777 1806,1787 1814,1795 1842.91,1795 U11.7@1843.07,1795.16
NetC56_2: C56.2 U13.18 | length 82.1
  Top Layer w8: C56.2@131.57,2120 137.52,2114.06 U13.18@211.26,2114.06
NetC57_1: C57.1 L3.1 U14.2 | length 154
  Top Layer w12: C57.1@142,1510 141.57,1510.43 141.57,1605.13 156.45,1620 U14.2@194.13,1620
NetC57_2: C57.2 U14.6 | length 124.2
  Top Layer w12: U14.6@79,1584 80,1583 113,1583 121,1575 121,1544.54 88.43,1511.97 C57.2@88.43,1510
NetC58_2: C58.2 C59.2 C60.2 C61.2 L3.2 R73.1 R75.2 R76.2 | length 454
  Top Layer w8: R75.2@145,1445.59 146.97,1445.59 181,1411.56 181,1248 195,1234 266,1234 285,1253 C60.2@285,1306
  Top Layer w10: R76.2@345.59,1177.56 414.45,1177.56 R73.1@415,1177.01
NetC65_1: C65.1 R77.1 U15.2 | length 247.5
  Top Layer w10: U15.2@92.2,1101.93 92.2,1132.2 100.55,1140.55 179.45,1140.55 199.02,1120.98 C65.1@235,1120.98 243.43,1112.56 R77.1@294.41,1112.56
NetC65_2: C65.2 R76.1 U15.1 | length 291.2
  Top Layer w10: U15.1@66.61,1101.93 66.61,1156.61 84.13,1174.13 C65.2@235,1174.13 238.43,1177.56 R76.1@294.41,1177.56
NetC71_2: C71.2 R86.2 U17.4 | length 261.1
  Top Layer w10: R86.2@1292,981.59 1356.41,981.59 C71.2@1357,981 ; R86.2@1292,986 1292,1021 1342.31,1071.31 U17.4@1432,1071.31
NetC72_2: C72.2 R87.2 U17.5 | length 169.8
  Top Layer w9.5: 1452.67,1041.67 U17.5@1452.67,1071.31
  Top Layer w10: R87.2@1422,981.59 1487.59,981.59 C72.2@1492,986 ; R87.2@1422,986 1422,1011 1452.67,1041.67
NetC73_2: C73.2 R88.2 U17.6 | length 205.1
  Top Layer w10: U17.6@1473.34,1071.31 1473.65,1071 1496.14,1071 1502,1065.14 1502,1029.62 1545.62,986 R88.2@1552,986 ; R88.2@1552,981.59 1552.59,981 C73.2@1617,981 C73.2@1622,981
NetD1_1: D1.1 R83.2 | length 886.2
  Top Layer w8: D1.1@570,2373.8 v1(570,2412) ; v1(1104,2134) 1104,2175 R83.2@1105,2176
  Bottom Layer w8: v1(570,2412) 598,2440 695,2440 752,2383 752,2222 887,2087 1057,2087 v1(1104,2134)
NetD1_2: D1.2 D3.2 R39.2 R40.2 | length 186.2
  Top Layer w8.17: R40.2@570,2225.59 D1.2@570,2286.2 D3.2@635,2286.2 R39.2@635,2225.59
NetD2_1: D2.1 R3.1 | length 64.9
  Top Layer w8.17: R3.1@1825,325.59 D2.1@1825,390.47
NetD3_1: D3.1 U1.5 | length 1218.4
  Top Layer w8: D3.1@635,2373.8 636,2374.8 v1(636,2411)
  Bottom Layer w8: v1(636,2411) 680,2411 729,2362 729,2215 871,2073 1038,2073 1300,1811 1349,1811 1412.52,1747.48 U1.5@1412.52,1704.13
NetD4_1: D4.1 J1.5 U16.6 | length 707.4
  Top Layer w6: J1.5@1335,2440 1355,2440 1419,2376 1553,2376 1681.59,2247.41 1681.59,2202.42 1681.59,2098.59 1662,2079 1662,2029 1683,2008 U16.6@1698,2008 ; U16.6@1700.72,2008 U16.6@1698,2008 ; U16.6@1703,2003 1699.36,2006.64 U16.6@1698,2008
NetD4_2: D4.2 J1.10 U16.7 | length 671.1
  Top Layer w6: J1.10@1345,2335 1351,2335 1356,2330 1542,2330 1630.41,2241.59 1630.41,2202.42 1630.41,1991.59 1665,1957 1698,1957 U16.7@1700,1955 ; U16.7@1700.72,1958 U16.7@1713,1958
NetD5_1: D5.1 R81.1 | length 64.7
  Top Layer w8: R81.1@462,489.59 462,550 D5.1@465,553
NetD6_1: D6.1 R82.1 | length 70.3
  Top Layer w8: D6.1@894,549.47 R82.1@894,485.59 894,482 R82.1@896,480
NetD7_1: D7.1 R85.2 | length 59.3
  Top Layer w10: R85.2@420,2566.18 D7.1@420,2625.47
NetD7_2: D7.2 R29.1 U2.2 | length 1326
  Top Layer w8: D7.2@418,2683 466,2683 v1(467,2684) ; U2.2@730.47,1905.79 730.47,1805.53 R29.1@732,1804
  Bottom Layer w8: v1(467,2684) 468,2683 468,2656 395,2583 395,1902 459,1838 v1(730,1838)
NetD8_1: D8.1 R89.1 | length 59.9
  Top Layer w10: R89.1@355,2565.59 D8.1@355,2625.47
NetD8_2: D8.2 R63.1 U13.2 | length 890.7
  Top Layer w8: R63.1@250,1959 v1(250,2000) 250.31,2000.32 250.31,2054.69 U13.2@250.63,2055 ; v1(305,2684) 306,2685 D8.2@359,2685
  Bottom Layer w8: v1(250,2000) 253,2000 343,2090 343,2600 305,2638 v1(305,2684)
NetJ1_4: J1.4 R84.2 U1.98 | length 1074.9
  Top Layer w8: J1.4@1223,2446 1221.08,2446 1169.41,2394.33 R84.2@1169.41,2230 1168,2228.59 1168,2195 1134,2161 1134,1984 1109,1959 1109,1801 1174,1736 1223,1736 1323.54,1635.46 1323.54,1596.23 v1(1322.13,1594.82)
  Bottom Layer w8: U1.98@1265.87,1596.85 1289.54,1596.85 1291.66,1594.72 1322.04,1594.72 v1(1322.13,1594.82)
NetJ1_8: J1.8 R83.1 | length 111.9
  Top Layer w10: J1.8@1099,2340 1105,2334 J1.8@1105,2329.92 R83.1@1105,2230.59
NetJ1_9: J1.9 R84.1 U1.97 | length 1022.4
  Top Layer w8: J1.9@1223,2328 1223.11,2327.89 1223.11,2232.52 R84.1@1220.59,2230 1220.59,2191.59 1205,2176 1180,2176 1150,2146 1150,1978 1126,1954 1126,1804 1178,1752 1226.8,1752 1343.95,1634.85 1343.95,1564.95 v1(1341,1562)
  Bottom Layer w8: U1.97@1265.87,1577.17 1306.41,1577.17 1318.59,1564.99 1338.01,1564.99 v1(1341,1562)
NetJ2_1: J2.1 R3.2 U3.5 | length 379.3
  Top Layer w8.17: R3.2@1825,274.41 1856.41,274.41 1868,286 1868,351 1880,363 1935,363 1944,354 1944,341 U3.5@1943,340 ; J2.1@1917.32,182.09 1917.32,293.32 1944,320 1944,337 U3.5@1943,338
NetJ2_4: J2.4 U3.4 | length 172
  Top Layer w8.17: U3.4@1983,337 1983.31,337 2009,311.31 2009,259 1994.09,244.09 J2.4@1994.09,182.09
NetJ3_2: J3.2 U1.63 | length 2480.1
  Top Layer w8: J3.2@246.06,312.99 247,312.06 247,221 270,198 886,198 971,283 971,498 1298,825 1644,825 1680.38,861.38 1680.38,1184.62 1647.19,1217.81 v1(1606,1217.81)
  Bottom Layer w8: U1.63@1570,1100 1570,1155 1606,1191 v1(1606,1217.81)
NetJ4_2: J4.2 U1.64 | length 1950.8
  Top Layer w8: J4.2@708.66,312.99 708.66,227.34 723,213 878,213 954,289 954,502 1295,843 1634,843 1665,874 1665,1176 1645,1196 v1(1569,1196)
  Bottom Layer w8: U1.64@1550.31,1105.69 1550.31,1177.31 v1(1569,1196)